# Altium PCB Battman.PcbDoc (part 1 of 5) (continued)
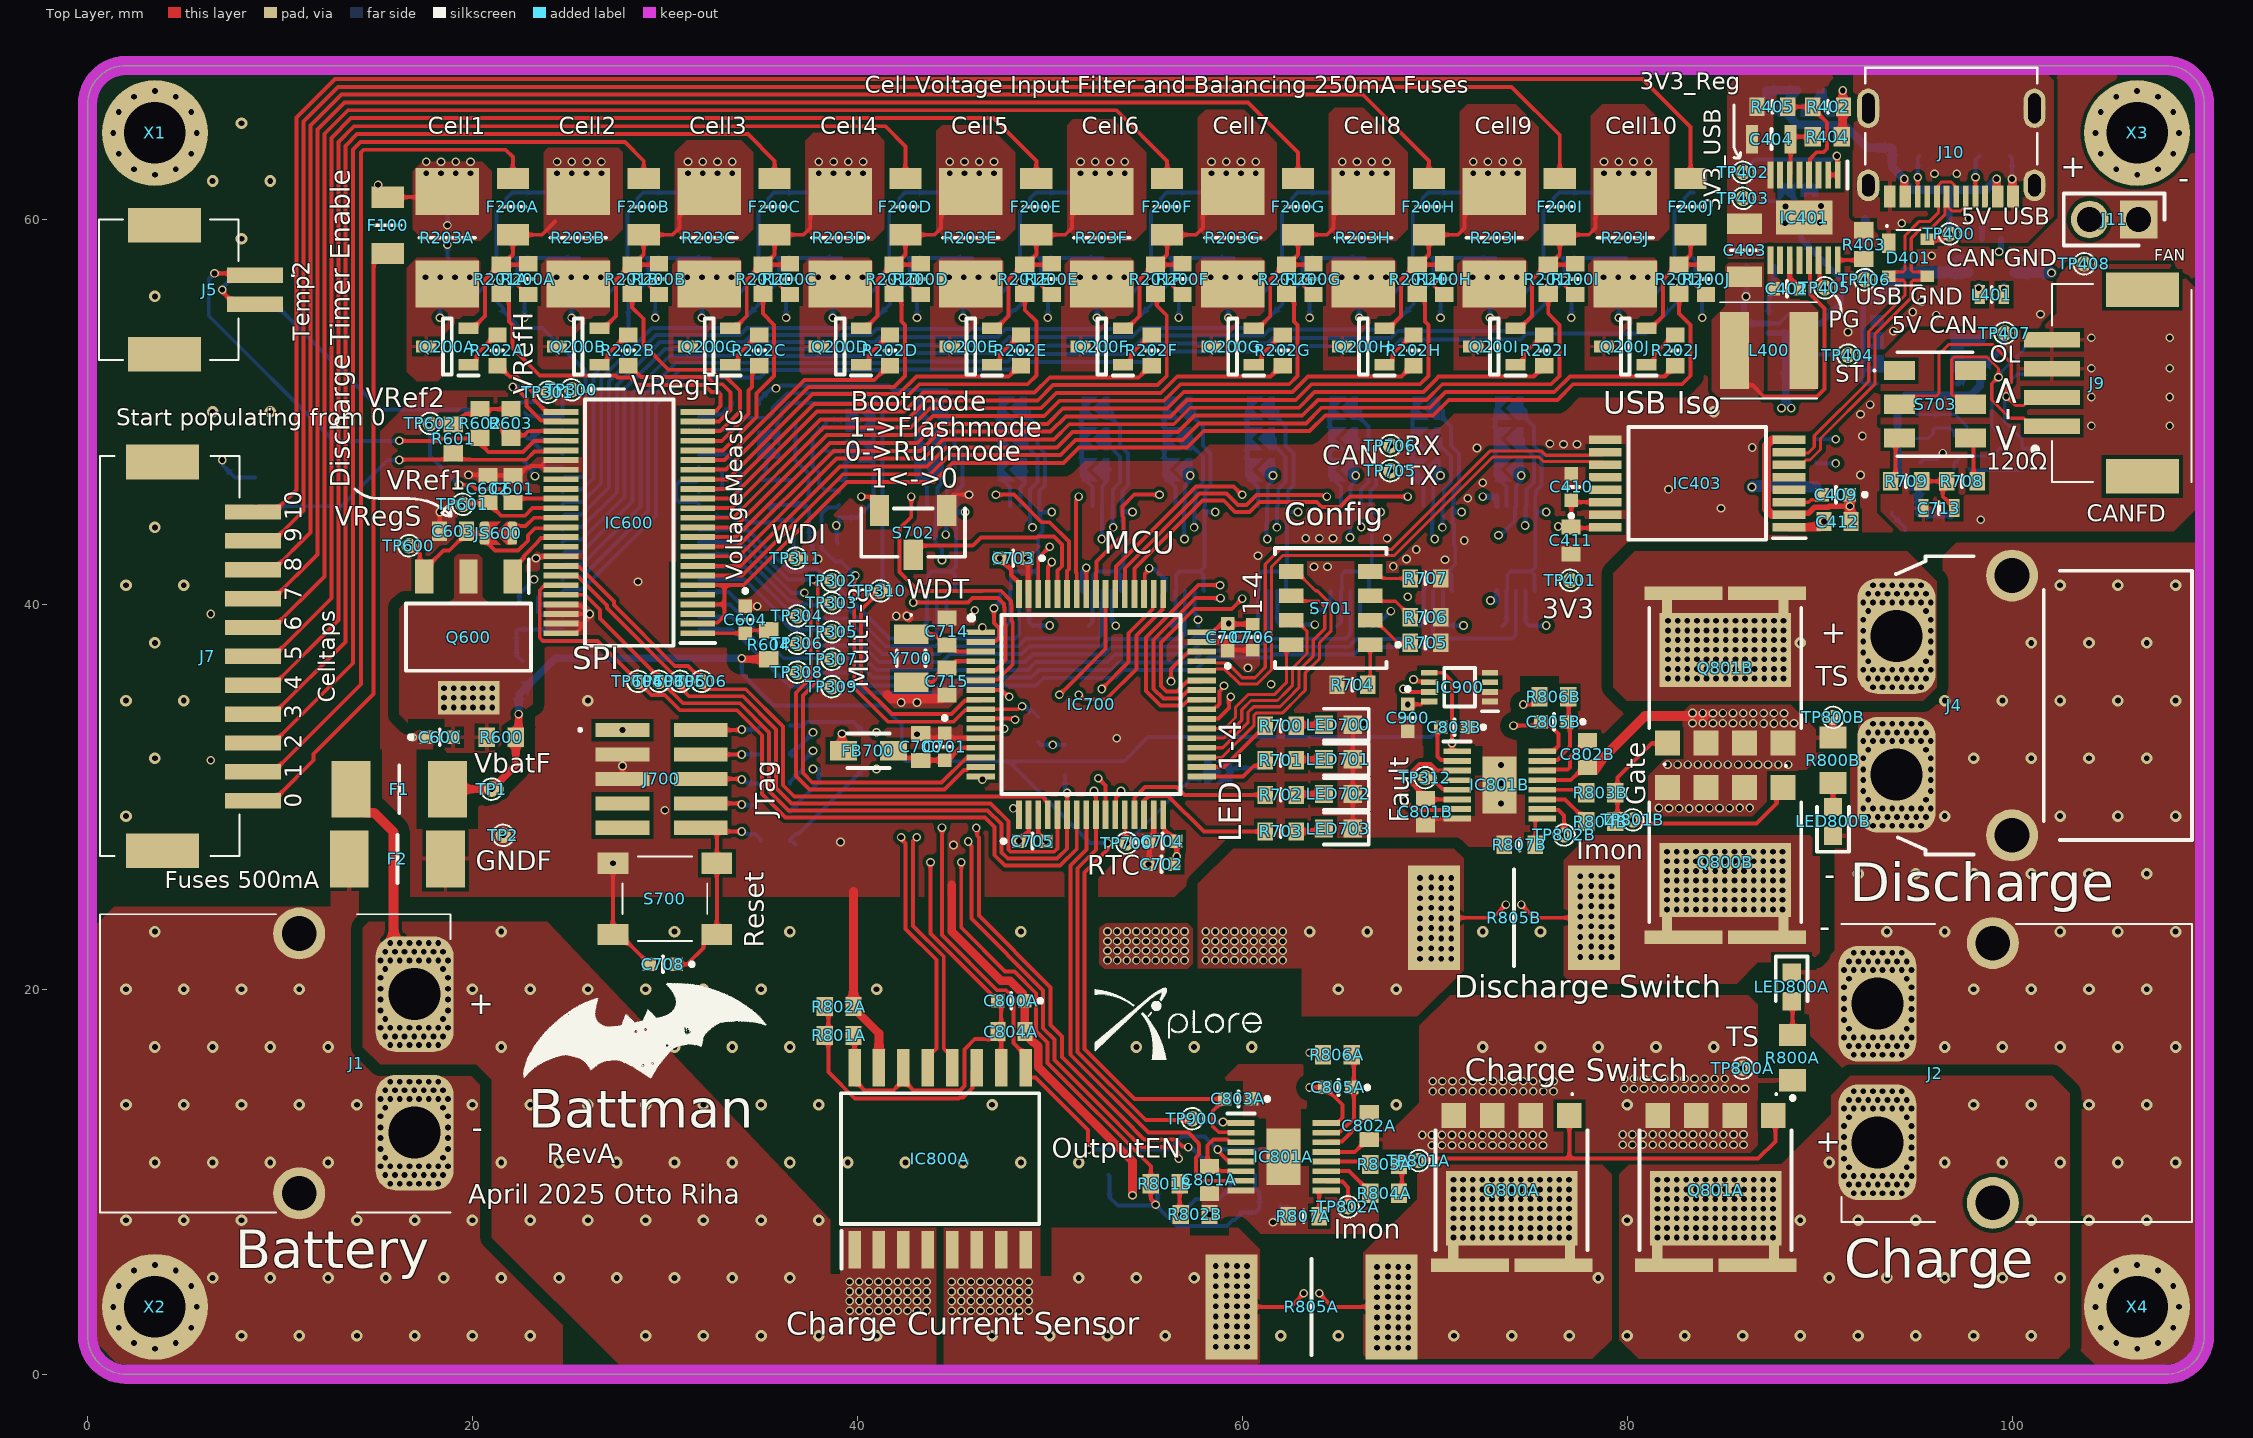
[diagram p0: Top Layer view]
## Design rules (kind name [scope] priority, off if disabled: settings) (continued)
SupplyNets "Schematic Supply Nets_16" [InNet('USB_GND')] p6: voltage=0.000
SupplyNets "Schematic Supply Nets_15" [InNet('VBatt_LTC')] p7: voltage=0.000
SupplyNets "Schematic Supply Nets_12" [InNet('V_BattLDO')] p8: voltage=0.000
SupplyNets "Schematic Supply Nets_14" [InNet('5V_USB')] p9: voltage=0.000
SupplyNets "Schematic Supply Nets_11" [InNet('3.3V')] p10: voltage=0.000
SupplyNets "Schematic Supply Nets_10" [InNet('VBat_RTC')] p11: voltage=0.000
SupplyNets "Schematic Supply Nets_9" [InNet('Bat_GND_Fused')] p12: voltage=0.000
SupplyNets "Schematic Supply Nets_8" [InNet('V_Bat')] p13: voltage=0.000
SupplyNets "Schematic Supply Nets_7" [InNet('V_Bat_Fused')] p14: voltage=0.000
SupplyNets "Schematic Supply Nets_6" [InNet('V_BattLTC')] p15: voltage=0.000
SupplyNets "Schematic Supply Nets_4" [InNet('5V')] p16: voltage=0.000
SupplyNets "Schematic Supply Nets_3" [InNet('Cell0')] p17: voltage=0.000
SupplyNets "Schematic Supply Nets_2" [InNet('Vref2')] p18: voltage=0.000
SupplyNets "Schematic Supply Nets_1" [InNet('VrefH')] p19: voltage=0.000
SupplyNets "Schematic Supply Nets" [InNet('Bat_GND')] p20: voltage=0.000
Width [All] p1: maxlimit=1816.048 minlimit=0.16 preferedwidth=0.16 toplayer_prefwidth=0.203 bottomlayer_prefwidth=0.203 minimp=50.000000 maximp=50.000000 favimp=50.000000
20 further rules are at their usual default settings.

## Classes and differential pairs
component class SinglePath2: C800B C801B C802B C803B C804B C805B D800B IC800B IC801B LED800B Q800B Q801B R800B R801B R802B R803B R804B R805B R806B R807B TP800B TP801B TP802B
component class SinglePath1: C800A C801A C802A C803A C804A C805A D800A IC800A IC801A LED800A Q800A Q801A R800A R801A R802A R803A R804A R805A R806A R807A TP800A TP801A TP802A
component class Multiplexer8: C500H IC500H JS500H JS501H JS502H
component class Multiplexer7: C500G IC500G JS500G JS501G JS502G
component class Multiplexer6: C500F IC500F JS500F JS501F JS502F
component class Multiplexer5: C500E IC500E JS500E JS501E JS502E
component class Multiplexer4: C500D IC500D JS500D JS501D JS502D
component class Multiplexer3: C500C IC500C JS500C JS501C JS502C
component class Multiplexer2: C500B IC500B JS500B JS501B JS502B
component class Multiplexer1: C500A IC500A JS500A JS501A JS502A
net class GND: Bat_GND Bat_GND_Fused Cell0 NetF100_1
net class Batt+: Cell10 GateA GateB LTC_H_C10 LTC_S_C10 LTC_S_S10 NetC404_2 NetF200J_2 Out1 Out2 shunt+A shunt+B shunt-A shunt-B TSA TSB V_Bat V_Bat_Fused V_BattLDO V_BattLTC VBatt_LTC
net class Out[1..2]: Out1 Out2
net class Mult[1..8]: Mult1 Mult2 Mult3 Mult4 Mult5 Mult6 Mult7 Mult8
net class Enable[1..2]: Enable1 Enable2
net class CurrRef[1..2]: CurrRef1 CurrRef2
net class Current[1..2]: Current1 Current2
net class A1_[1..8]: A1_1 A1_2 A1_3 A1_4 A1_5 A1_6 A1_7 A1_8
net class A0_[1..8]: A0_1 A0_2 A0_3 A0_4 A0_5 A0_6 A0_7 A0_8
channel class Singlepath: SinglePath1 SinglePath2
channel class singlefilter: CellFilter1 CellFilter2 CellFilter3 CellFilter4 CellFilter5 CellFilter6 CellFilter7 CellFilter8 CellFilter9 CellFilter10
channel class ConfigMultiplexer: Multiplexer1 Multiplexer2 Multiplexer3 Multiplexer4 Multiplexer5 Multiplexer6 Multiplexer7 Multiplexer8
component class "Software Protection": C600 C601 C602 C603 C604 IC600 JS600 Q600 R600 R601 R602 R603 R604 TP600 TP601 TP602 TP603 TP604 TP605 TP606
component class PowerPath: C900 IC900 R900 TP900
component class MCU: BT700 C700 C701 C702 C703 C704 C705 C706 C707 C708 C709 C710 C712 C713 C714 C715 D700 FB700 FL700 IC700 IC701 IC702 J700 JS700 LED700 LED701 LED702 LED703 LS700 R700 R701 R702 R703 R704 R705 R706 R707 R708 R709 R711 R712 R713 R714 R715 R716 S700 S701 S702 S703 TP700 TP705 TP706 Y700
component class Main: F1 F2 J1 J2 J3 J4 J5 J6 J7 J8 J9 J10 J11 R1 R2 TP1 TP2 X1 X2 X3 X4
component class "Hardware Protection": C300 C301 C302 C303 C304 IC300 IC301 JS300 JS301 JS302 R300 R301 R302 R303 TP300 TP301 TP302 TP303 TP304 TP305 TP306 TP307 TP308 TP309 TP310 TP311 TP312
component class CellFilter: F100
component class CellFilter10: C200J C201J F200J Q200J R200J R201J R202J R203J Z200J Z201J
component class CellFilter9: C200I C201I F200I Q200I R200I R201I R202I R203I Z200I Z201I
component class CellFilter8: C200H C201H F200H Q200H R200H R201H R202H R203H Z200H Z201H
component class CellFilter7: C200G C201G F200G Q200G R200G R201G R202G R203G Z200G Z201G
component class CellFilter6: C200F C201F F200F Q200F R200F R201F R202F R203F Z200F Z201F
component class CellFilter5: C200E C201E F200E Q200E R200E R201E R202E R203E Z200E Z201E
component class CellFilter4: C200D C201D F200D Q200D R200D R201D R202D R203D Z200D Z201D
component class CellFilter3: C200C C201C F200C Q200C R200C R201C R202C R203C Z200C Z201C
component class CellFilter2: C200B C201B F200B Q200B R200B R201B R202B R203B Z200B Z201B
component class CellFilter1: C200A C201A F200A Q200A R200A R201A R202A R203A Z200A Z201A
component class AuxSupply/USB: C400 C401 C402 C403 C404 C405 C406 C407 C408 C409 C410 C411 C412 C413 C414 C415 C416 C418 C419 C420 C421 D401 IC400 IC401 IC402 IC403 L400 L401 PS400 PS401 R400 R402 R403 R404 R405 R406 R407 TP400 TP401 TP402 TP403 TP404 TP405 TP406 TP407 TP408
differential pair USB_ISO: +USB_ISO_P -USB_ISO_N
differential pair CAN_Tr: +CAN_Tr_P -CAN_Tr_N
differential pair USB_D: +USB_D_P -USB_D_N
differential pair CAN: +CAN_P -CAN_N

## Components (designator, comment, footprint, x,y, rotation, side; value= is the part's Value field where it differs from the comment)
BT700 "3000TR" 3000TR 8.5,31.8 r270 bottom
C200A "10nF 100V X7R" CAPC1608X90N 22,55.7 r180 bottom value=10nF (schematic designator C200)
C200B "10nF 100V X7R" CAPC1608X90N 28.8,55.7 r180 bottom value=10nF (schematic designator C200)
C200C "10nF 100V X7R" CAPC1608X90N 35.6,55.7 r180 bottom value=10nF (schematic designator C200)
C200D "10nF 100V X7R" CAPC1608X90N 42.4,55.7 r180 bottom value=10nF (schematic designator C200)
C200E "10nF 100V X7R" CAPC1608X90N 49.2,55.7 r180 bottom value=10nF (schematic designator C200)
C200F "10nF 100V X7R" CAPC1608X90N 56,55.7 r180 bottom value=10nF (schematic designator C200)
C200G "10nF 100V X7R" CAPC1608X90N 62.8,55.7 r180 bottom value=10nF (schematic designator C200)
C200H "10nF 100V X7R" CAPC1608X90N 69.6,55.7 r180 bottom value=10nF (schematic designator C200)
C200I "10nF 100V X7R" CAPC1608X90N 76.4,55.7 r180 bottom value=10nF (schematic designator C200)
C200J "10nF 100V X7R" CAPC1608X90N 83.2,55.525 r180 bottom value=10nF (schematic designator C200)
C201A "10nF 100V X7R" CAPC1608X90N 19.2,55.7 r0 bottom value=10nF (schematic designator C201)
C201B "10nF 100V X7R" CAPC1608X90N 26,55.7 r0 bottom value=10nF (schematic designator C201)
C201C "10nF 100V X7R" CAPC1608X90N 32.8,55.7 r0 bottom value=10nF (schematic designator C201)
C201D "10nF 100V X7R" CAPC1608X90N 39.6,55.7 r0 bottom value=10nF (schematic designator C201)
C201E "10nF 100V X7R" CAPC1608X90N 46.4,55.7 r0 bottom value=10nF (schematic designator C201)
C201F "10nF 100V X7R" CAPC1608X90N 53.2,55.7 r0 bottom value=10nF (schematic designator C201)
C201G "10nF 100V X7R" CAPC1608X90N 60,55.7 r0 bottom value=10nF (schematic designator C201)
C201H "10nF 100V X7R" CAPC1608X90N 66.8,55.7 r0 bottom value=10nF (schematic designator C201)
C201I "10nF 100V X7R" CAPC1608X90N 73.6,55.7 r0 bottom value=10nF (schematic designator C201)
C201J "10nF 100V X7R" CAPC1608X90N 80.4,55.7 r0 bottom value=10nF (schematic designator C201)
C300 "1uF 50V X7R" CAPC1608X90N 22.7,48.05 r270 bottom value=1uF
C301 "1nF 25V COG" CAPC1608X90N 34.2,50.5 r180 bottom value=1nF
C302 "1uF 50V X7R" CAPC1608X90N 22.8,50.5 r90 bottom value=1uF
C303 "100 nF, 100V, X7R" MAJx16 38.125,43.35 r0 bottom
C304 "100 nF, 100V, X7R" MAJx16 22.3,39.3 r270 bottom
C400 "10uF 10V X7R" GRM18x 86.575,66.7 r0 bottom
C401 "100 nF, 100V, X7R" MAJx16 89.546,66.7 r0 bottom
C402 "220nF 50V X7R" GRM18x 88.3,56.4 r180 top
C403 "33uF 25V X5R" CAPC3216X180N 86.1,58.4 r270 top
C404 "2.2 uF, 100V, X7R" CAPC2012X145N 87.5,64.175 r0 top
C405 "100 nF, 100V, X7R" MAJx16 88.94,52.428 r180 bottom
C406 "100 nF, 100V, X7R" MAJx16 86.075,53.95 r90 bottom
C407 "100 nF, 100V, X7R" MAJx16 90.45,54.3 r90 bottom
C408 "100 nF, 100V, X7R" MAJx16 93.775,64.425 r270 bottom
C409 "100 nF, 100V, X7R" MAJx16 90.85,45.7 r180 top
C410 "100 nF, 100V, X7R" MAJx16 77.1,46.1 r90 top
C411 "1uF 50V X7R" CAPC1608X90N 77.075,43.325 r90 top value=1uF
C412 "1uF 50V X7R" CAPC1608X90N 90.925,44.3 r0 top value=1uF
C413 "100 nF, 100V, X7R" MAJx16 88.326,60.367 r180 bottom
C414 "22uF 10V X5R" CAPC1608X105N 88.326,58.967 r0 bottom
C415 "10uF 10V X7R" GRM18x 91.4,51.7 r0 bottom
C416 "100 nF, 100V, X7R" MAJx16 93.775,55.9 r0 bottom
C418 "22uF 10V X5R" CAPC1608X105N 98.35,53.05 r270 bottom
C419 "1uF 50V X7R" CAPC1608X90N 101.323,58.924 r270 bottom value=1uF
C420 "100 nF, 100V, X7R" MAJx16 101.253,56.439 r270 bottom
C421 "22uF 10V X5R" CAPC1608X105N 96.45,56.525 r90 bottom
C500A "100 nF, 100V, X7R" MAJx16 74.225,38.884 r180 bottom (schematic designator C500)
C500B "100 nF, 100V, X7R" MAJx16 69.925,38.884 r180 bottom (schematic designator C500)
C500C "100 nF, 100V, X7R" MAJx16 65.625,38.884 r180 bottom (schematic designator C500)
C500D "100 nF, 100V, X7R" MAJx16 61.325,38.884 r180 bottom (schematic designator C500)
C500E "100 nF, 100V, X7R" MAJx16 57.025,38.884 r180 bottom (schematic designator C500)
C500F "100 nF, 100V, X7R" MAJx16 52.725,38.884 r180 bottom (schematic designator C500)
C500G "100 nF, 100V, X7R" MAJx16 48.425,38.884 r180 bottom (schematic designator C500)
C500H "100 nF, 100V, X7R" MAJx16 44.125,38.884 r180 bottom (schematic designator C500)
C600 "100 nF, 100V, X7R" MAJx16 18.3,33.1 r0 top
C601 "1uF 50V X7R" CAPC1608X90N 22.1,46 r90 top value=1uF
C602 "1uF 50V X7R" CAPC1608X90N 20.8,46 r90 top value=1uF
C603 "1uF 50V X7R" CAPC1608X90N 19,43.8 r180 top value=1uF
C604 "100 nF, 100V, X7R" MAJx16 34.175,39.2 r270 top
C700 "1uF 50V X7R" CAPC1608X90N 43.295,32.6 r270 top value=1uF
C701 "100 nF, 100V, X7R" MAJx16 44.545,32.6 r270 top
C702 "4.7uF, 10V, X7R" GRM18x 55.8,26.5 r0 top
C703 "100 nF, 100V, X7R" MAJx16 48.1,42.4 r180 top
C704 "100 nF, 100V, X7R" MAJx16 55.85,27.7 r0 top
C705 "100 nF, 100V, X7R" MAJx16 49.1,27.7 r0 top
C706 "4.7uF, 10V, X7R" GRM18x 60.55,38.3 r90 top
C707 "100 nF, 100V, X7R" MAJx16 59.25,38.3 r90 top
C708 "100 nF, 100V, X7R" MAJx16 29.9,21.3 r180 top
C709 "4.7uF, 10V, X7R" GRM18x 96.8,45.275 r270 bottom
C710 "100nF 100V X5R" CAPC1608X90N 94.45,44.775 r0 bottom value=100nF
C712 "100nF 100V X5R" CAPC1608X90N 87.807,46.845 r270 bottom value=100nF
C713 "4.7nF 100V X7R" CAPC1608X80N 96.2,45 r0 top value="4.7nF 100V"
C714 "10pF 50V C0G" CAPC1608X90N 44.65,38.6 r90 top
C715 "10pF 50V C0G" CAPC1608X90N 44.65,36 r270 top
C800A "100 nF, 100V, X7R" MAJx16 48,19.4 r180 top (schematic designator C800)
C800B "100 nF, 100V, X7R" MAJx16 61.6,8.6 r180 bottom (schematic designator C800)
C801A "1uF 50V X7R" CAPC1608X90N 58.3,10.1 r90 top value=1uF (schematic designator C801)
C801B "1uF 50V X7R" CAPC1608X90N 69.525,29.225 r90 top value=1uF (schematic designator C801)
C802A "680nF, 35V, X7R" CAPC1608X90N 66.6,12.9 r270 top (schematic designator C802)
C802B "680nF, 35V, X7R" CAPC1608X90N 77.95,32.225 r270 top (schematic designator C802)
C803A "100 nF, 100V, X7R" MAJx16 59.8,14.3 r180 top (schematic designator C803)
C803B "100 nF, 100V, X7R" MAJx16 71.024,33.618 r180 top (schematic designator C803)
C804A "1uF 50V X7R" CAPC1608X90N 48,17.8 r180 top value=1uF (schematic designator C804)
C804B "1uF 50V X7R" CAPC1608X90N 59.2,8.4 r0 bottom value=1uF (schematic designator C804)
C805A "100 nF, 100V, X7R" MAJx16 65,14.9 r180 top (schematic designator C805)
C805B "100 nF, 100V, X7R" MAJx16 76.2,33.9 r180 top (schematic designator C805)
C900 "100 nF, 100V, X7R" MAJx16 68.6,34.1 r270 top
D401 "PRTR5V0U2X,215" PRTR5V0U2X 94.599,58.012 r270 top
D700 "PESD2CANFD27V-TR" SOT95P230X110-3N 100.1,46.575 r270 bottom
D800A "SMBJ43A" DIOM5436X244N 99.15,15.775 r90 bottom (schematic designator D800)
D800B "SMBJ43A" DIOM5436X244N 99,35.975 r270 bottom (schematic designator D800)
F1 "0448.500MR" FUSC6127X294N 16.2,30.4 r0 top
F2 "0448.500MR" FUSC6127X294N 16.1,26.775 r0 top
F100 "0466.250NR" FUSC3215X66N 15.6,59.7 r90 top
F200A "0466.250NR" FUSC3215X66N 22.1,60.665 r270 top (schematic designator F200)
F200B "0466.250NR" FUSC3215X66N 28.9,60.665 r270 top (schematic designator F200)
F200C "0466.250NR" FUSC3215X66N 35.7,60.665 r270 top (schematic designator F200)
F200D "0466.250NR" FUSC3215X66N 42.5,60.665 r270 top (schematic designator F200)
F200E "0466.250NR" FUSC3215X66N 49.3,60.665 r270 top (schematic designator F200)
F200F "0466.250NR" FUSC3215X66N 56.1,60.665 r270 top (schematic designator F200)
F200G "0466.250NR" FUSC3215X66N 62.9,60.665 r270 top (schematic designator F200)
F200H "0466.250NR" FUSC3215X66N 69.7,60.665 r270 top (schematic designator F200)
F200I "0466.250NR" FUSC3215X66N 76.5,60.665 r270 top (schematic designator F200)
F200J "0466.250NR" FUSC3215X66N 83.3,60.665 r270 top (schematic designator F200)
FB700 "742792097" FP-742792097-MFG 40.575,32.4 r180 top
FL700 "ACE1V2012-121-R" ACE1V2012121R 97.375,47.9 r270 bottom
IC300 "LTC6801IG#3ZZPBF" SOP65P780X200-36N 28.225,44.225 r0 bottom
IC301 "MAX6369KA_V+T" SOT65P280X145-8N 37.8,45.485 r0 bottom
IC400 "MAX77827BEFD+T" MAX77827BEFDT 98.933,57.753 r270 bottom
IC401 "LT3990IMSE-3.3#PBF" SOP50P490X110-17N 89.2,60.1 r270 top
IC402 "TPS2116DRLR" SOTFL50P160X60-8N 88.175,54.35 r0 bottom
IC403 "ISOUSB111DWXR" SOP65P1030X260-16N 83.641,46.285 r180 top
IC500A "ADG704BRMZ" SOP50P490X110-10N 74.225,42.9 r270 bottom (schematic designator IC500)
IC500B "ADG704BRMZ" SOP50P490X110-10N 69.925,42.9 r270 bottom (schematic designator IC500)
IC500C "ADG704BRMZ" SOP50P490X110-10N 65.625,42.9 r270 bottom (schematic designator IC500)
IC500D "ADG704BRMZ" SOP50P490X110-10N 61.325,42.9 r270 bottom (schematic designator IC500)
IC500E "ADG704BRMZ" SOP50P490X110-10N 57.025,42.9 r270 bottom (schematic designator IC500)
IC500F "ADG704BRMZ" SOP50P490X110-10N 52.725,42.9 r270 bottom (schematic designator IC500)
IC500G "ADG704BRMZ" SOP50P490X110-10N 48.425,42.9 r270 bottom (schematic designator IC500)
IC500H "ADG704BRMZ" SOP50P490X110-10N 44.125,42.9 r270 bottom (schematic designator IC500)
IC600 "LTC6811IG-2#PBF" SOP50P780X200-48N 28.15,44.25 r180 top
IC700 "STM32L552RET6" QFP50P1200X1200X160-64N 52.15,34.8 r0 top
IC701 "ISO1044BDR" SOIC127P600X175-8N 92.525,48 r0 bottom
IC702 "ESDA6V1-5SC6" SOT95P280X145-6N 39.3,32.4 r180 bottom
IC800A "ACS37002KMABTR-050B3" SOIC127P1030X265-16N 44.3,11.2 r90 top (schematic designator IC800)
IC800B "ACS37002KMABTR-050B3" SOIC127P1030X265-16N 57.495,15.075 r270 bottom (schematic designator IC800)
IC801A "LTC7000EMSE#PBF" SOP50P490X110-17N 62.15,11.3 r0 top (schematic designator IC801)
IC801B "LTC7000EMSE#PBF" SOP50P490X110-17N 73.374,30.618 r0 top (schematic designator IC801)
IC900 "SN74LVC2G74DCUTE4" SOP50P310X90-8N 71.3,35.7 r180 top
J1 "XT60PW-M" XT60PWM 17,16.15 r90 top
J2 "XT60PW-M" XT60PWM 93,15.65 r270 top
J3 "502585-0270" 5025850270 5.375,56.35 r90 bottom
J4 "XT60PW-F" XT60PWF 94,38.35 r270 top
J5 "502585-0270" 5025850270 5.375,56.35 r270 top
J6 "502585-0270" 5025850270 5.375,45.85 r90 bottom
J7 "502585-1170" 5025851170 5.5,38.05 r270 top
J8 "502585-0470" 5025850470 105.637,51.533 r270 bottom
J9 "502585-0470" 5025850470 105.7,51.5 r90 top
J10 "10171746-00021LF" AMPHENOL_10171746-00021LF 96.85,65.775 r180 top
J11 "61300211121" HDRV2W110P0X254_1X2_508X254X854P 106.575,60 r180 top
J700 "FTSH-105-01-L-DV-K" FTSH10501LDVK 27.8,30.93 r270 top
JS300 "SolderJumper" SOLDERJUMPER 35.4,48.335 r180 bottom
JS301 "SolderJumper" SOLDERJUMPER 40.175,47.96 r90 bottom
JS302 "SolderJumper" SOLDERJUMPER 40.175,49.56 r90 bottom
JS500A "SolderJumper" SOLDERJUMPER 73.825,50.2 r270 bottom (schematic designator JS500)
JS500B "SolderJumper" SOLDERJUMPER 69.525,50.2 r270 bottom (schematic designator JS500)
JS500C "SolderJumper" SOLDERJUMPER 65.225,50.2 r270 bottom (schematic designator JS500)
JS500D "SolderJumper" SOLDERJUMPER 60.925,50.2 r270 bottom (schematic designator JS500)
JS500E "SolderJumper" SOLDERJUMPER 56.625,50.2 r270 bottom (schematic designator JS500)
JS500F "SolderJumper" SOLDERJUMPER 52.325,50.2 r270 bottom (schematic designator JS500)
JS500G "SolderJumper" SOLDERJUMPER 48.025,50.2 r270 bottom (schematic designator JS500)
JS500H "SolderJumper" SOLDERJUMPER 43.725,50.2 r270 bottom (schematic designator JS500)
JS501A "SolderJumper" SOLDERJUMPER 73.825,48.6 r270 bottom (schematic designator JS501)
JS501B "SolderJumper" SOLDERJUMPER 69.525,48.6 r270 bottom (schematic designator JS501)
JS501C "SolderJumper" SOLDERJUMPER 65.225,48.6 r270 bottom (schematic designator JS501)
JS501D "SolderJumper" SOLDERJUMPER 60.925,48.6 r270 bottom (schematic designator JS501)
JS501E "SolderJumper" SOLDERJUMPER 56.625,48.6 r270 bottom (schematic designator JS501)
JS501F "SolderJumper" SOLDERJUMPER 52.325,48.6 r270 bottom (schematic designator JS501)
JS501G "SolderJumper" SOLDERJUMPER 48.025,48.6 r270 bottom (schematic designator JS501)
JS501H "SolderJumper" SOLDERJUMPER 43.725,48.6 r270 bottom (schematic designator JS501)
JS502A "SolderJumper" SOLDERJUMPER 73.825,47 r270 bottom (schematic designator JS502)
JS502B "SolderJumper" SOLDERJUMPER 69.525,47 r270 bottom (schematic designator JS502)
JS502C "SolderJumper" SOLDERJUMPER 65.225,47 r270 bottom (schematic designator JS502)
JS502D "SolderJumper" SOLDERJUMPER 60.925,47 r270 bottom (schematic designator JS502)
JS502E "SolderJumper" SOLDERJUMPER 56.625,47 r270 bottom (schematic designator JS502)
JS502F "SolderJumper" SOLDERJUMPER 52.325,47 r270 bottom (schematic designator JS502)
JS502G "SolderJumper" SOLDERJUMPER 48.025,47 r270 bottom (schematic designator JS502)
JS502H "SolderJumper" SOLDERJUMPER 43.725,47 r270 bottom (schematic designator JS502)
JS600 "SolderJumper" SOLDERJUMPER 21.3,43.7 r90 top
JS700 "SolderJumper" SOLDERJUMPER 58.8,31.3 r90 bottom
L400 "VLS5045EX-220M" VLS5045EX330M 87.375,53.2 r180 top
L401 "DFE18SBN1R0ME0L" DFE18SAN1R0ME0L 98.95,56.1 r180 top
LED700 "150060VS75000" LEDC1608X80N 65,33.75 r180 top
LED701 "150060YS75000" LEDC1608X80N 65,31.95 r180 top
LED702 "150060AS75000" LEDC1608X80N 65,30.15 r180 top
LED703 "150060RS75000" LEDC1608X80N 65,28.35 r180 top
LED800A "150060VS75000" LEDC1608X80N 88.55,20.125 r270 top (schematic designator LED800)
LED800B "150060VS75000" LEDC1608X80N 90.7,28.725 r90 top (schematic designator LED800)
LS700 "CPT-1625-80-SMT-TR" CPT162580SMTTR 68.7,31.5 r90 bottom
PS400 "R05C1TF05S-R" CONV_R05C1TF05S-R 88.875,63.6 r180 bottom
PS401 "R05C1TF05S-R" CONV_R05C1TF05S-R 95.075,53.1 r270 bottom
Q200A "NX2301P,215" SOT95P230X110-3N 18.7,53.4 r180 top (schematic designator Q200)
Q200B "NX2301P,215" SOT95P230X110-3N 25.5,53.4 r180 top (schematic designator Q200)
Q200C "NX2301P,215" SOT95P230X110-3N 32.3,53.4 r180 top (schematic designator Q200)
Q200D "NX2301P,215" SOT95P230X110-3N 39.1,53.4 r180 top (schematic designator Q200)
Q200E "NX2301P,215" SOT95P230X110-3N 45.9,53.4 r180 top (schematic designator Q200)
Q200F "NX2301P,215" SOT95P230X110-3N 52.7,53.4 r180 top (schematic designator Q200)
Q200G "NX2301P,215" SOT95P230X110-3N 59.5,53.4 r180 top (schematic designator Q200)
Q200H "NX2301P,215" SOT95P230X110-3N 66.3,53.4 r180 top (schematic designator Q200)
Q200I "NX2301P,215" SOT95P230X110-3N 73.1,53.4 r180 top (schematic designator Q200)
Q200J "NX2301P,215" SOT95P230X110-3N 79.9,53.4 r180 top (schematic designator Q200)
Q600 "BCP56-16TF" SOT230P700X180-4N 19.8,38.3 r270 top
Q800A "SQJQ160E-T1_GE3" SQJQ160ET1_GE3 74,9.55 r180 top (schematic designator Q800)
Q800B "SQJQ160E-T1_GE3" SQJQ160ET1_GE3 85.1,26.6 r180 top (schematic designator Q800)
Q801A "SQJQ160E-T1_GE3" SQJQ160ET1_GE3 84.6,9.55 r180 top (schematic designator Q801)
Q801B "SQJQ160E-T1_GE3" SQJQ160ET1_GE3 85.1,36.695 r0 top (schematic designator Q801)
R1 "CRCW06035K10FKEBC" RESC1608X55N 95.9,63.3 r180 bottom value=5.1k
R2 "CRCW06035K10FKEBC" RESC1608X55N 99.2,63.3 r180 bottom value=5.1k
R200A "AF0603FR-071KL" RESC1608X55N 22.9,56.9 r270 top value="1k, 1%" (schematic designator R200)
R200B "AF0603FR-071KL" RESC1608X55N 29.7,56.9 r270 top value="1k, 1%" (schematic designator R200)
R200C "AF0603FR-071KL" RESC1608X55N 36.5,56.9 r270 top value="1k, 1%" (schematic designator R200)
R200D "AF0603FR-071KL" RESC1608X55N 43.3,56.9 r270 top value="1k, 1%" (schematic designator R200)
R200E "AF0603FR-071KL" RESC1608X55N 50.1,56.9 r270 top value="1k, 1%" (schematic designator R200)
R200F "AF0603FR-071KL" RESC1608X55N 56.9,56.9 r270 top value="1k, 1%" (schematic designator R200)
R200G "AF0603FR-071KL" RESC1608X55N 63.7,56.9 r270 top value="1k, 1%" (schematic designator R200)
R200H "AF0603FR-071KL" RESC1608X55N 70.5,56.9 r270 top value="1k, 1%" (schematic designator R200)
R200I "AF0603FR-071KL" RESC1608X55N 77.3,56.9 r270 top value="1k, 1%" (schematic designator R200)
R200J "AF0603FR-071KL" RESC1608X55N 84.1,56.9 r270 top value="1k, 1%" (schematic designator R200)
R201A "CRCW0603100RFKEA" RESC1608X50N 21.5,56.9 r270 top value=100R (schematic designator R201)
R201B "CRCW0603100RFKEA" RESC1608X50N 28.3,56.9 r270 top value=100R (schematic designator R201)
R201C "CRCW0603100RFKEA" RESC1608X50N 35.1,56.9 r270 top value=100R (schematic designator R201)
R201D "CRCW0603100RFKEA" RESC1608X50N 41.9,56.9 r270 top value=100R (schematic designator R201)
R201E "CRCW0603100RFKEA" RESC1608X50N 48.7,56.9 r270 top value=100R (schematic designator R201)
R201F "CRCW0603100RFKEA" RESC1608X50N 55.5,56.9 r270 top value=100R (schematic designator R201)
R201G "CRCW0603100RFKEA" RESC1608X50N 62.3,56.9 r270 top value=100R (schematic designator R201)
R201H "CRCW0603100RFKEA" RESC1608X50N 69.1,56.9 r270 top value=100R (schematic designator R201)
R201I "CRCW0603100RFKEA" RESC1608X50N 75.9,56.9 r270 top value=100R (schematic designator R201)
R201J "CRCW0603100RFKEA" RESC1608X50N 82.7,56.9 r270 top value=100R (schematic designator R201)
R202A "3k3 1%" RESC1608X55N 21.3,53.2 r270 top value=3k3 (schematic designator R202)
R202B "3k3 1%" RESC1608X55N 28.1,53.2 r270 top value=3k3 (schematic designator R202)
R202C "3k3 1%" RESC1608X55N 34.9,53.2 r270 top value=3k3 (schematic designator R202)
R202D "3k3 1%" RESC1608X55N 41.7,53.2 r270 top value=3k3 (schematic designator R202)
R202E "3k3 1%" RESC1608X55N 48.5,53.2 r270 top value=3k3 (schematic designator R202)
R202F "3k3 1%" RESC1608X55N 55.3,53.2 r270 top value=3k3 (schematic designator R202)
R202G "3k3 1%" RESC1608X55N 62.1,53.2 r270 top value=3k3 (schematic designator R202)
R202H "3k3 1%" RESC1608X55N 68.9,53.2 r270 top value=3k3 (schematic designator R202)
R202I "3k3 1%" RESC1608X55N 75.7,53.2 r270 top value=3k3 (schematic designator R202)
R202J "3k3 1%" RESC1608X55N 82.5,53.2 r270 top value=3k3 (schematic designator R202)
R203A "33R, 2W, 5%" RESC6331X80N 18.7,59.05 r270 top (schematic designator R203)
R203B "33R, 2W, 5%" RESC6331X80N 25.5,59.05 r270 top (schematic designator R203)
R203C "33R, 2W, 5%" RESC6331X80N 32.3,59.05 r270 top (schematic designator R203)
R203D "33R, 2W, 5%" RESC6331X80N 39.1,59.05 r270 top (schematic designator R203)
R203E "33R, 2W, 5%" RESC6331X80N 45.9,59.05 r270 top (schematic designator R203)
R203F "33R, 2W, 5%" RESC6331X80N 52.7,59.05 r270 top (schematic designator R203)
R203G "33R, 2W, 5%" RESC6331X80N 59.5,59.05 r270 top (schematic designator R203)
R203H "33R, 2W, 5%" RESC6331X80N 66.3,59.05 r270 top (schematic designator R203)
R203I "33R, 2W, 5%" RESC6331X80N 73.1,59.05 r270 top (schematic designator R203)
R203J "33R, 2W, 5%" RESC6331X80N 79.9,59.05 r270 top (schematic designator R203)
R300 "100k 1%" RESC1608X55N 34.975,45.76 r90 bottom value=100k
R301 "100k 1%" RESC1608X55N 37.575,47.985 r0 bottom value=100k
R302 "100k 1%" RESC1608X55N 37.575,49.46 r0 bottom value=100k
R303 "CRCW0603100RFKEA" RESC1608X50N 22.4,36.3 r90 bottom value=100R
R400 "4.99k 1%" RESC0603X26N 99.125,59.925 r0 bottom
R402 "1.3M 1%" RESC1608X55N 90.442,65.852 r0 top value=1.3M
R403 "232k 1%" RESC1608X50N 92.3,58.7 r90 top
R404 "100R, 1%" RESC1608X50N 90.4,64.3 r0 top value=100R
R405 "100k 1%" RESC1608X55N 87.546,65.852 r0 top value=100k
R406 "150k 0.5%" ERA3AEB101V 86.925,57.575 r180 bottom
R407 "150k 0.5%" ERA3AEB101V 88.375,56.35 r180 bottom
R600 "CRCW0603100RFKEA" RESC1608X50N 21.5,33.1 r180 top value=100R
R601 "CRCW060310K0FKEI" RESC1608X50N 19,48.6 r270 top value="10k, 1%"
R602 "CRCW060310K0FKEI" RESC1608X50N 20.4,49.4 r270 top value="10k, 1%"
R603 "CRCW060310K0FKEI" RESC1608X50N 22,49.4 r270 top value="10k, 1%"
R604 "CRCW0603100RFKEA" RESC1608X50N 35.4,37.9 r90 top value=100R
R700 "270R 1%" RESC1608X55N 62,33.7 r180 top value=270R
R701 "270R 1%" RESC1608X55N 62,31.9 r180 top value=270R
R702 "270R 1%" RESC1608X55N 62,30.1 r180 top value=270R
R703 "270R 1%" RESC1608X55N 62,28.2 r180 top value=270R
R704 "22Ohm 1%" RESC1608X55N 65.725,35.825 r0 top value=22Ohm
R705 "22Ohm 1%" RESC1608X55N 69.525,38 r180 top value=22Ohm
R706 "22Ohm 1%" RESC1608X55N 69.525,39.325 r180 top value=22Ohm
R707 "22Ohm 1%" RESC1608X55N 69.525,41.35 r180 top
R708 "60.4R, 1%" RESC1608X55N 97.4,46.4 r180 top value=60.4R
R709 "60.4R, 1%" RESC1608X55N 94.5,46.4 r180 top value=60.4R
R711 "5.1k, 1%" RESC1608X55N 50.8,31.9 r270 bottom value=5.1k
R712 "22Ohm 1%" RESC1608X55N 35.7,33.7 r0 bottom value=22Ohm
R713 "22Ohm 1%" RESC1608X55N 35.7,32.2 r0 bottom value=22Ohm
R714 "22Ohm 1%" RESC1608X55N 35.7,30.7 r0 bottom value=22Ohm
R715 "22Ohm 1%" RESC1608X55N 35.7,29.2 r0 bottom value=22Ohm
R716 "22Ohm 1%" RESC1608X55N 35.7,27.7 r0 bottom value=22Ohm
R800A "3.3k 0.5% 0.5W" ERJP06D1000V 88.6,16.45 r90 top (schematic designator R800)
R800B "3.3k 0.5% 0.5W" ERJP06D1000V 90.7,31.9 r270 top (schematic designator R800)
R801A "0Ohm" RESC1608X50N 39.05,17.6 r0 top value=0R (schematic designator R801)
R801B "0Ohm" RESC1608X50N 56,9.9 r180 top value=0R (schematic designator R801)
R802A "0Ohm" RESC1608X50N 39.05,19.1 r180 top value=0R (schematic designator R802)
R802B "0Ohm" RESC1608X50N 57.55,8.3 r180 top value=0R (schematic designator R802)
R803A "0Ohm" RESC1608X50N 67.4,10.9 r0 top value=0R (schematic designator R803)
R803B "0Ohm" RESC1608X50N 78.624,30.218 r0 top value=0R (schematic designator R803)
R804A "0Ohm" RESC1608X50N 67.4,9.4 r0 top (schematic designator R804)
R804B "0Ohm" RESC1608X50N 78.624,28.718 r0 top (schematic designator R804)
R805A "200uOhm 3W 1%" RESC10052X63N 63.6,3.5 r0 top (schematic designator R805)
R805B "200uOhm 3W 1%" RESC10052X63N 74.124,23.718 r0 top (schematic designator R805)
R806A "100R, 1%" RESC1608X50N 64.95,16.6 r180 top value=100R (schematic designator R806)
R806B "100R, 1%" RESC1608X50N 76.2,35.2 r180 top value=100R (schematic designator R806)
R807A "40k 0.1%" RESC1608X55N 63.2,8.2 r0 top (schematic designator R807)
R807B "40k 0.1%" RESC1608X55N 74.424,27.518 r0 top (schematic designator R807)
R900 "CRCW060310K0FKEI" RESC1608X50N 49.4,33.4 r90 bottom value="10k, 1%"
S700 "MJTP1140A" MJTP1140A 30,24.7 r90 top
S701 "218-4LPSTJ" 2184LPSTJ 64.6,39.805 r90 top
S702 "CAS-120TA" CAS120TA 42.9,43.725 r180 top
S703 "CAS-220TA" CAS220TA 96,50.4 r270 top
TP1 "Testpoint" TESTPOINT 21,30.4 r90 top
TP2 "Testpoint" TESTPOINT 21.6,28 r90 top
TP300 "Testpoint" TESTPOINT 25.15,51.15 r270 top
TP301 "Testpoint" TESTPOINT 23.925,51.025 r270 top
TP302 "Testpoint" TESTPOINT 38.675,41.225 r270 top
TP303 "Testpoint" TESTPOINT 38.675,40.075 r270 top
TP304 "Testpoint" TESTPOINT 36.875,39.4 r270 top
TP305 "Testpoint" TESTPOINT 38.675,38.575 r270 top
TP306 "Testpoint" TESTPOINT 36.875,37.975 r270 top
TP307 "Testpoint" TESTPOINT 38.675,37.15 r270 top
TP308 "Testpoint" TESTPOINT 36.875,36.475 r270 top
TP309 "Testpoint" TESTPOINT 38.675,35.725 r270 top
TP310 "Testpoint" TESTPOINT 41.2,40.7 r270 top
TP311 "Testpoint" TESTPOINT 36.8,42.4 r270 top
TP312 "Testpoint" TESTPOINT 69.5,31 r180 top
TP400 "Testpoint" TESTPOINT 96.75,59.25 r0 top
TP401 "Testpoint" TESTPOINT 77.05,41.25 r180 top
TP402 "Testpoint" TESTPOINT 86.025,62.45 r0 top
TP403 "Testpoint" Testpoint 86.025,61.1 r90 top
TP404 "Testpoint" TESTPOINT 91.475,52.95 r90 top
TP405 "Testpoint" TESTPOINT 90.275,56.45 r0 top
TP406 "Testpoint" Testpoint 92.35,56.875 r90 top
TP407 "Testpoint" Testpoint 99.625,54.1 r90 top
TP408 "Testpoint" Testpoint 103.75,57.7 r90 top
TP600 "Testpoint" TESTPOINT 16.7,43.05 r0 top
TP601 "Testpoint" TESTPOINT 19.5,45.2 r270 top
TP602 "Testpoint" TESTPOINT 17.8,49.4 r270 top
TP603 "Testpoint" TESTPOINT 29.7,36 r90 top
TP604 "Testpoint" TESTPOINT 28.6,36 r90 top
TP605 "Testpoint" TESTPOINT 30.8,36 r90 top
TP606 "Testpoint" TESTPOINT 31.9,36 r90 top
TP700 "Testpoint" TESTPOINT 54,27.6 r90 top
TP705 "Testpoint" TESTPOINT 67.7,46.95 r90 top
TP706 "Testpoint" TESTPOINT 67.7,48.25 r90 top
TP800A "Testpoint" TESTPOINT 86,15.9 r0 top (schematic designator TP800)
TP800B "Testpoint" TESTPOINT 90.7,34.125 r0 top (schematic designator TP800)
TP801A "Testpoint" TESTPOINT 69.175,11.1 r270 top (schematic designator TP801)
TP801B "Testpoint" TESTPOINT 80.3,28.8 r270 top (schematic designator TP801)
TP802A "Testpoint" TESTPOINT 65.5,8.7 r90 top (schematic designator TP802)
TP802B "Testpoint" TESTPOINT 76.724,28.018 r90 top (schematic designator TP802)
TP900 "Testpoint" TESTPOINT 57.4,13.275 r90 top
X1 "Trou pour Vis M3 celon DIN912" VISM3 3.5,64.5 r0 top
X2 "Trou pour Vis M3 celon DIN912" VISM3 3.5,3.5 r0 top
X3 "Trou pour Vis M3 celon DIN912" VISM3 106.5,64.5 r0 top
X4 "Trou pour Vis M3 celon DIN912" VISM3 106.5,3.5 r0 top
Y700 "FC-135_32.7680KA-AG0" FC135327680KAAG0 42.8,37.2 r270 top
Z200A "MMSZ4692T1G" SOD3716X135N 20.5,58 r180 bottom (schematic designator Z200)
Z200B "MMSZ4692T1G" SOD3716X135N 27.3,58 r180 bottom (schematic designator Z200)
Z200C "MMSZ4692T1G" SOD3716X135N 34.1,58 r180 bottom (schematic designator Z200)
Z200D "MMSZ4692T1G" SOD3716X135N 40.9,58 r180 bottom (schematic designator Z200)
Z200E "MMSZ4692T1G" SOD3716X135N 47.7,58 r180 bottom (schematic designator Z200)
Z200F "MMSZ4692T1G" SOD3716X135N 54.5,58 r180 bottom (schematic designator Z200)
Z200G "MMSZ4692T1G" SOD3716X135N 61.3,58 r180 bottom (schematic designator Z200)
Z200H "MMSZ4692T1G" SOD3716X135N 68.1,58 r180 bottom (schematic designator Z200)
Z200I "MMSZ4692T1G" SOD3716X135N 74.9,58 r180 bottom (schematic designator Z200)
Z200J "MMSZ4692T1G" SOD3716X135N 81.7,58 r180 bottom (schematic designator Z200)
Z201A "MMSZ4692T1G" SOD3716X135N 20.5,61.4 r180 bottom (schematic designator Z201)
Z201B "MMSZ4692T1G" SOD3716X135N 27.3,61.4 r180 bottom (schematic designator Z201)
Z201C "MMSZ4692T1G" SOD3716X135N 34.1,61.4 r180 bottom (schematic designator Z201)
Z201D "MMSZ4692T1G" SOD3716X135N 40.9,61.4 r180 bottom (schematic designator Z201)
Z201E "MMSZ4692T1G" SOD3716X135N 47.7,61.4 r180 bottom (schematic designator Z201)
Z201F "MMSZ4692T1G" SOD3716X135N 54.5,61.4 r180 bottom (schematic designator Z201)
Z201G "MMSZ4692T1G" SOD3716X135N 61.3,61.4 r180 bottom (schematic designator Z201)
Z201H "MMSZ4692T1G" SOD3716X135N 68.1,61.4 r180 bottom (schematic designator Z201)
Z201I "MMSZ4692T1G" SOD3716X135N 74.9,61.4 r180 bottom (schematic designator Z201)
Z201J "MMSZ4692T1G" SOD3716X135N 81.7,61.4 r180 bottom (schematic designator Z201)

## Footprints (in the part's own frame and the unit in brackets; to place one, negate y for a bottom-side part, rotate by r counter-clockwise, add the part's x,y. Pads: shape width x height; smd on the part's side, far side on the other; paste and mask are expansions set on the pad)
2184LPSTJ [mm]
  rect 0.76x1.27 smd: A1(-1.905,-2.05) A2(-0.635,-2.05) A3(0.635,-2.05) A4(1.905,-2.05) B1(1.905,2.05) B2(0.635,2.05) B3(-0.635,2.05) B4(-1.905,2.05)
  silkscreen extent -3.13,-3.6 3.13,2.9, body extent -3.13,-2.9 3.13,2.9, height 2.8
3000TR [mm]
  rect 3.18x3.18 smd: 1(-7.87,0.724) 2(7.87,0.724)
  rect 3.96x3.96 smd: 3(0,0.724)
  silkscreen extent -10,-6.01 6.61,5.99, body extent -9.47,-6.03 9.47,6.03, height 3.17
5025850270 [mm]
  rect 0.8x2.9 smd: 1(-0.75,3.325) 2(0.75,3.325)
  rect 1.8x3.8 smd: M1(-3.35,-1.375) M2(3.35,-1.375)
  silkscreen extent -3.65,-4.77 3.65,5.35, body extent -3.65,-4.25 3.65,4.25, height 6.4
5025850470 [mm]
  rect 0.8x2.9 smd: 1(-2.25,3.625) 2(-0.75,3.625) 3(0.75,3.625) 4(2.25,3.625)
  rect 1.8x3.8 smd: MP1(-4.85,-1.075) MP2(4.85,-1.075)
  silkscreen extent -5.15,-3.62 5.15,4.55, body extent -5.15,-3.53 5.15,4.97, height 6.4
5025851170 [mm]
  rect 0.8x2.9 smd: 1(-6.75,3.1) 2(-5.25,3.1) 3(-3.75,3.1) 4(-2.25,3.1) 5(-0.75,3.1) 6(0.75,3.1) 7(2.25,3.1) 8(3.75,3.1) 9(5.25,3.1) 10(6.75,3.1) 11(8.25,3.1)
  rect 1.8x3.8 smd: MP1(-9.35,-1.6) MP2(10.85,-1.6)
  silkscreen extent -9.65,-4.85 11.12,4.85, body extent -9.65,-4.25 11.15,4.25, height 6.4
ACE1V2012121R [mm]
  rect 0.9x0.4 smd: 1(-0.85,0.4) 2(-0.85,-0.4) 3(0.85,-0.4) 4(0.85,0.4)
  silkscreen extent -1.9,0.35 -1.8,0.45, body extent -1,-0.64 1,0.64, height 1.2
AMPHENOL_10171746-00021LF [mm]
  rect 0.6x1.15 smd mask+0.05: A1_B12(-3.2,4.575) A4_B9(-2.4,4.575) B1_A12(3.2,4.575) B4_A9(2.4,4.575)
  rect 0.3x1.15 smd mask+0.05: A5(-1.25,4.575) A6(-0.25,4.575) A7(0.25,4.575) A8(1.25,4.575) B5(1.75,4.575) B6(0.75,4.575) B7(-0.75,4.575) B8(-1.75,4.575)
  oval 1.15x1.65 hole 0.65 slot 1.15 at 90 deg: SH1(-4.32,4) SH2(4.32,4)
  oval 1.15x2.05 hole 0.65 slot 1.55 at 90 deg: SH3(-4.32,0) SH4(4.32,0)
  silkscreen extent -4.47,-2.1 4.47,2.91, body extent -4.47,-2.1 4.47,4.65, height 3.26
CAPC1608X80N [mm]
  rect 0.54x0.94 smd: 1(-0.8,0) 2(0.8,0)
  silkscreen extent 0,-0.3 0,0.3, body extent -0.8,-0.4 0.8,0.4, height 0.8
CAPC1608X90N [mm]
  rect 0.78x0.99 smd: 1(-0.7,0) 2(0.7,0)
  body extent -0.76,-0.38 0.76,0.38, height 0.91
CAPC1608X105N [mm]
  rect 0.83x1.07 smd: 1(-0.72,0) 2(0.72,0)
  body extent -0.8,-0.4 0.8,0.4, height 1.05
CAPC2012X145N [mm]
  rect 0.62x1.47 smd: 1(-1,0) 2(1,0)
  silkscreen extent 0,-0.53 0,0.53, body extent -0.96,-0.8 1.04,0.8, height 1.25
CAPC3216X180N [mm]
  rect 1.07x1.82 smd: 1(-1.38,0) 2(1.38,0)
  silkscreen extent 0,-0.7 0,0.7, body extent -1.6,-0.8 1.6,0.8, height 1.8
CAS120TA [mm]
  rect 1x1.6 smd: 1(-1.75,-1.15) 2(0,1.15) 3(1.75,-1.15)
  silkscreen extent -2.7,-2.45 2.7,1.25, body extent -2.7,-1.85 2.7,1.85, height 2.6
CAS220TA [mm]
  rect 1x1.6 smd: 1(-1.75,-1.85) 2(0,-1.85) 3(1.75,-1.85) 4(-1.75,1.85) 5(0,1.85) 6(1.75,1.85)
  silkscreen extent -2.7,-3.2 2.7,1.95, body extent -2.7,-2.1 2.7,2.1, height 2.5